# Altium PCB STM32F103RCT6 Dev B'd Rev 2.0.PcbDoc (part 1 of 2) (continued)
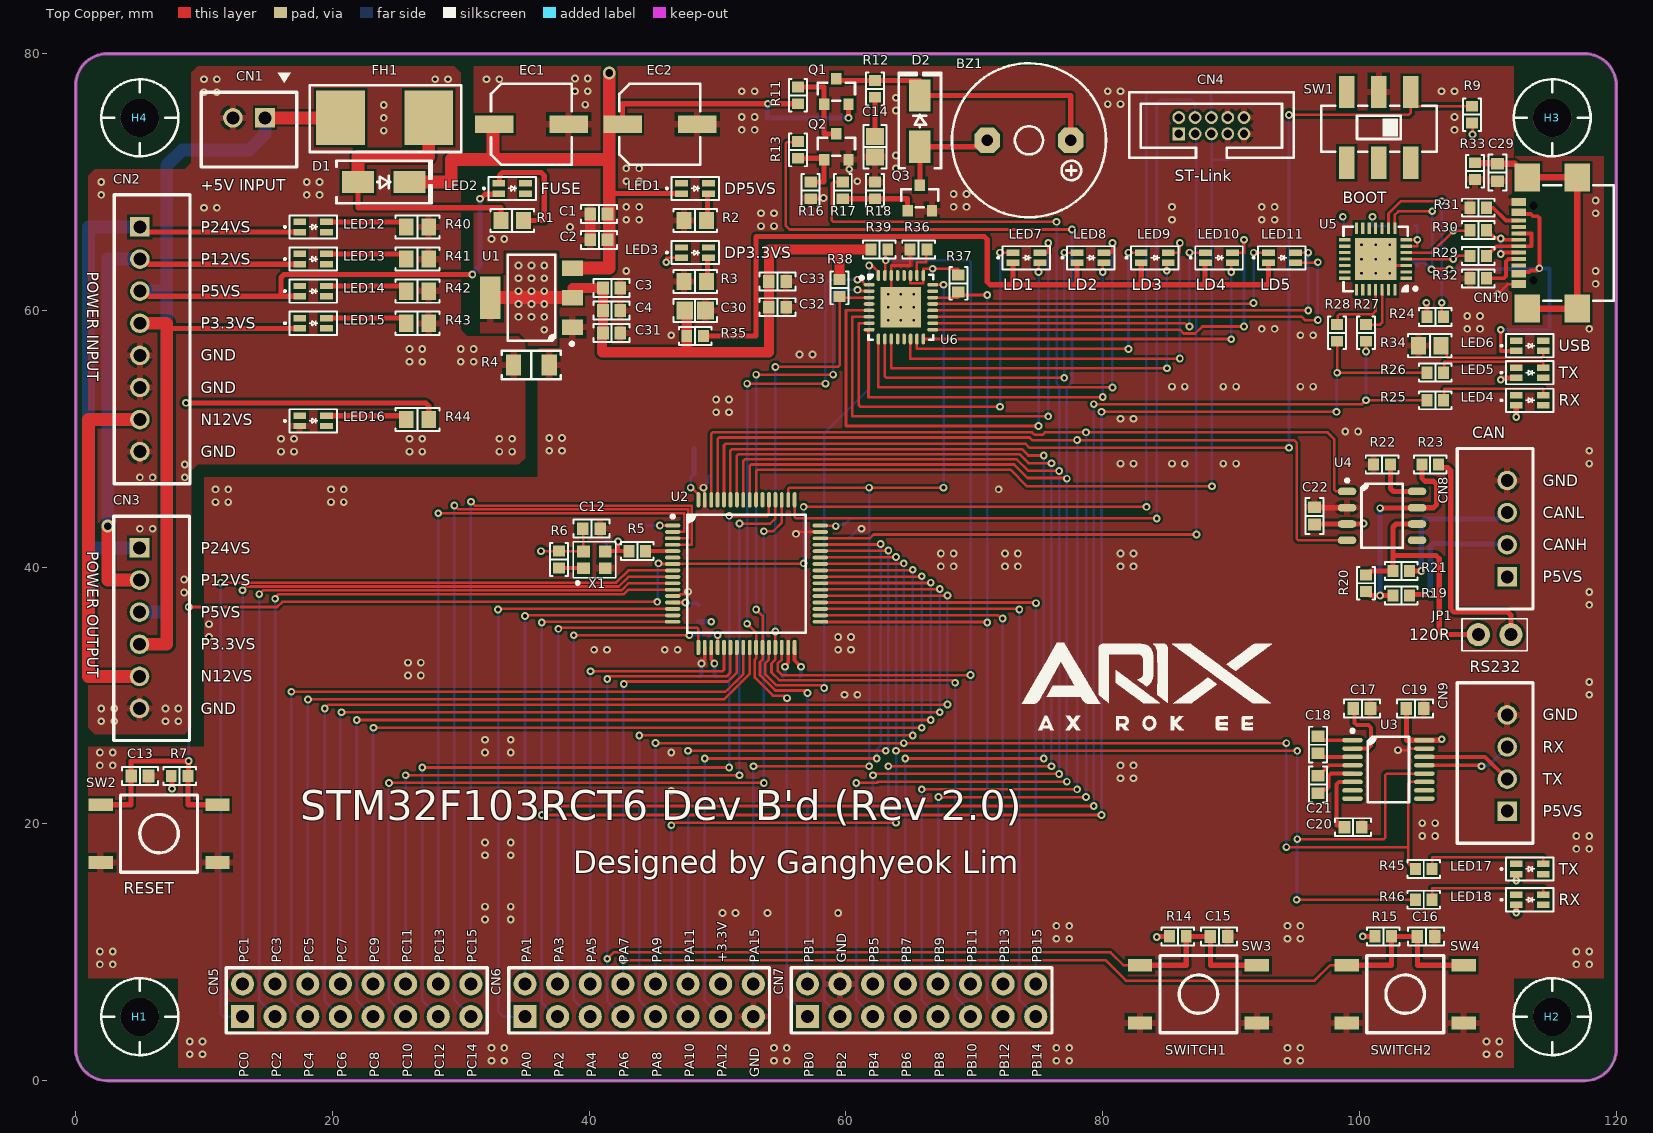
[diagram p0: Top Copper view]
## Components (designator, comment, footprint, x,y, rotation, side; value= is the part's Value field where it differs from the comment) (continued)
LED18 "GREEN/2012" "LED MHT170RGBCT (GREEN)" 113.25,14.1 r0 top
Q1 "S9015" "SOT 23-3 (DIODES INCORPORATED)" 59.25,77.043 r90 top
Q2 "MMBT3904" "SOT 23-3 (DIODES INCORPORATED)" 59.25,72.75 r90 top
Q3 "MMBT3904" "SOT 23-3 (DIODES INCORPORATED)" 65.75,68.75 r90 top
R1 "680R/2012" "RES 2012 (0805_inch)" 34,67 r180 top value=680R
R2 "680R/2012" "RES 2012 (0805_inch)" 48.25,67 r0 top value=680R
R3 "330R/2012" "RES 2012 (0805_inch)" 48.25,62.25 r0 top value=330R
R4 "0R/3216" "RES 3216 (1206_inch)" 35.5,55.75 r0 top
R5 "0R/1608" "RES 1608 (0603_inch)" 43.75,41.25 r0 top value=0R
R6 "0R/1608" "RES 1608 (0603_inch)" 37.653,40.6 r90 top value=0R
R7 "100K/1608" "RES 1608 (0603_inch)" 8.1,23.75 r180 top value=100K
R8 "47R/1608" "RES 1608 (0603_inch)" 48.5,36.4 r270 bottom value=47R
R9 "100K/1608" "RES 1608 (0603_inch)" 108.75,75.25 r270 top value=100K
R10 "0R/1608/NC" "RES 1608 (0603_inch)/NC" 90.5,71.75 r0 bottom value=0R
R11 "100K/1608" "RES 1608 (0603_inch)" 56.25,76.75 r90 top value=100K
R12 "100R/1608" "RES 1608 (0603_inch)" 62.25,77.25 r90 top value=100R
R13 "4.7K/1608" "RES 1608 (0603_inch)" 56.25,72.5 r270 top value=4.7K
R14 "100K/1608" "RES 1608 (0603_inch)" 85.85,11.25 r180 top value=100K
R15 "100K/1608" "RES 1608 (0603_inch)" 101.85,11.25 r180 top value=100K
R16 "100K/1608" "RES 1608 (0603_inch)" 57.25,69.35 r90 top value=100K
R17 "4.7K/1608" "RES 1608 (0603_inch)" 59.75,69.35 r270 top value=4.7K
R18 "100K/1608" "RES 1608 (0603_inch)" 62.25,69.35 r270 top value=100K
R19 "0R/1608" "RES 1608 (0603_inch)" 103.25,37.8 r0 top value=0R
R20 "120R/1608/0.1W" "RES 1608 (0603_inch)" 100.5,38.75 r270 top value=120R
R21 "0R/1608" "RES 1608 (0603_inch)" 103.25,39.7 r0 top value=0R
R22 "10K/1608" "RES 1608 (0603_inch)" 101.75,48 r0 top value=10K
R23 "120R/1608/0.1W" "RES 1608 (0603_inch)" 105.5,48 r180 top value=120R
R24 "4.7K/1608" "RES 1608 (0603_inch)" 105.9,59.5 r0 top value=4.7K
R25 "330R/1608" "RES 1608 (0603_inch)" 105.9,53 r0 top value=330R
R26 "330R/1608" "RES 1608 (0603_inch)" 105.9,55.15 r0 top value=330R
R27 "0R/1608" "RES 1608 (0603_inch)" 100.5,58.25 r270 top value=0R
R28 "0R/1608" "RES 1608 (0603_inch)" 98.25,58.25 r270 top value=0R
R29 "0R/1608" "RES 1608 (0603_inch)" 109.25,64.25 r180 top value=0R
R30 "0R/1608" "RES 1608 (0603_inch)" 109.25,66.25 r180 top value=0R
R31 "5.1K/1608" "RES 1608 (0603_inch)" 109.25,68 r0 top value=5.1K
R32 "5.1K/1608" "RES 1608 (0603_inch)" 109.25,62.5 r0 top value=5.1K
R33 "1M/1608/0.1W" "RES 1608 (0603_inch)" 109,70.85 r270 top value=1M
R34 "680R/2012" "RES 2012 (0805_inch)" 105.47,57.25 r0 top value=680R
R35 "0R/1608" "RES 1608 (0603_inch)" 48.25,58 r0 top value=0R
R36 "2.2K/1608" "RES 1608 (0603_inch)" 65.65,64.75 r0 top value=2.2K
R37 "100K/1608" "RES 1608 (0603_inch)" 68.75,62.1 r270 top value=100K
R38 "100K/1608" "RES 1608 (0603_inch)" 59.5,61.75 r270 top value=100K
R39 "100K/1608" "RES 1608 (0603_inch)" 62.6,64.75 r0 top value=100K
R40 "4.7K/2012" "RES 2012 (0805_inch)" 26.625,66.5 r180 top value=4.7K
R41 "4.7K/2012" "RES 2012 (0805_inch)" 26.625,64 r180 top value=4.7K
R42 "4.7K/2012" "RES 2012 (0805_inch)" 26.625,61.5 r180 top value=4.7K
R43 "4.7K/2012" "RES 2012 (0805_inch)" 26.625,59 r180 top value=4.7K
R44 "4.7K/2012" "RES 2012 (0805_inch)" 26.625,51.5 r180 top value=4.7K
R45 "330R/1608" "RES 1608 (0603_inch)" 105,16.5 r0 top value=330R
R46 "330R/1608" "RES 1608 (0603_inch)" 105,14.1 r0 top value=330R
SW1 "YSS-1201S(2mm)_2P" "SW YSS-1201S-2mm" 101.5,74.25 r180 top
SW2 "K2-1102SP-C4SC-04" "SW K2-1102SP-C4SC-04" 6.5,19.25 r0 top
SW3 "K2-1102SP-C4SC-04" "SW K2-1102SP-C4SC-04" 87.45,6.75 r0 top
SW4 "K2-1102SP-C4SC-04" "SW K2-1102SP-C4SC-04" 103.55,6.75 r0 top
U1 "AMS1117-3.3" "SOT 223-3 (DIODES INCORPORATED)" 35.5,61 r180 top
U2 "STM32F103RCT6" "LQFP-64_10x10mm (ST)" 52.25,39.5 r0 top
U3 "SP3232EEY" TSSOP-16 102.25,24.25 r0 top
U4 "SN65HVD230DR" "SOIC-8 R8 (ANALOG DEV)" 101.75,44 r0 top
U5 "CP2102-GMR" "QFN-28 (5x5mm)" 101.25,64 r180 top
U6 "TLC59401RHBR" "VQFN-32 (TI drawing - RHB)" 64.275,60.25 r0 top
X1 "S2D12.000000B20F30T(12MHz)" "OSC SMD_2.5x2.0 (SCTF)" 40.4,40.575 r0 top
ZD1 "NUP2105L" "SOT 23-3 (DIODES INCORPORATED)" 108.25,42.8 r0 bottom

## Footprints (in the part's own frame and the unit in brackets; to place one, negate y for a bottom-side part, rotate by r counter-clockwise, add the part's x,y. Pads: shape width x height; smd on the part's side, far side on the other; paste and mask are expansions set on the pad)
"BUZ FQ-036" [mm]
  oct 2x2 hole 0.9: 1(3.25,0) 2(-3.25,0)
  silkscreen extent -6,-6 6,6, body extent -6,-6 9.45,6, height 9.67
"CAP 1608 (0603_INCH)" [mm] "Chip Capacitor, 2-Leads, Body 1.60x0.80mm, IPC Medium Density"
  rect 0.9x1 smd: 1(-0.675,0) 2(0.675,0)
  silkscreen extent -1.4,-0.7 1.4,0.7, body extent -0.8,-0.41 0.8,0.41, height 0.82
"CAP 1608 (0603_INCH)/NC" [mm] "Chip Capacitor, 2-Leads, Body 1.60x0.80mm, IPC Medium Density"
  rect 0.9x1 smd: 1(-0.675,0) 2(0.675,0)
  silkscreen extent -1.4,-0.7 1.4,0.7
"CAP 2012 (0805_INCH)" [mm] "Chip Capacitor, 2-Leads, Body 2.00x1.20mm, IPC Medium Density"
  rect 1.3x1.4 smd: 1(-0.8,0) 2(0.8,0)
  silkscreen extent -1.7,-0.9 1.7,0.9, body extent -1,-0.64 1,0.64, height 1.26
"CAP ALSMD 6.3MM H8.0MM" [mm] "Aluminum SMT Polymer Capacitor, 6.3mm Diameter, 8.00mm Height, 7.20mm Maximum Leads Span"
  rect 3x1.4 smd: 1(-2.9,0) 2(2.9,0)
  silkscreen extent -3.15,-3.15 3.15,3.15, body extent -3.6,-3.15 3.6,3.15, height 8
"CON 3220-10-0100-00" [mm] "CONN HEADER VERT 10POS 1.27MM"
  rect 1x1 hole 0.65: 1(-2.54,-0.635)
  round 1 hole 0.65: 2(-2.54,0.635) 3(-1.27,-0.635) 4(-1.27,0.635) 5(0,-0.635) 6(0,0.635) 7(1.27,-0.635) 8(1.27,0.635) 9(2.54,-0.635) 10(2.54,0.635)
  silkscreen extent -6.4,-2.5 6.4,2.6, body extent -6.32,-2.58 6.32,2.55, height 5.4
"CON 0353120260 (MOLEX)" [mm] "CONN HEADER VERT 2POS 2.5MM"
  rect 1.524x1.524 hole 1: 1(-1.25,0)
  round 1.524 hole 1: 2(1.25,0)
  silkscreen extent -3.72,-2 3.72,3.83, body extent -3.73,-2.65 3.73,3.85, height 7.08
"CON 0353120460 (MOLEX)" [mm] "CONN HEADER VERT 4POS 2.5MM"
  rect 1.524x1.524 hole 1: 1(-3.75,0)
  round 1.524 hole 1: 2(-1.25,0) 3(1.25,0) 4(3.75,0)
  silkscreen extent -6.25,-2 6.25,3.9, body extent -6.23,-2.6 6.23,3.9, height 7.08
"CON 0353120660 (MOLEX)" [mm] "CONN HEADER VERT 6POS 2.5MM"
  rect 1.524x1.524 hole 1: 1(-6.25,0)
  round 1.524 hole 1: 2(-3.75,0) 3(-1.25,0) 4(1.25,0) 5(3.75,0) 6(6.25,0)
  silkscreen extent -8.72,-2 8.75,3.9, body extent -8.73,-2.6 8.73,3.9, height 7.08
"CON 0353120860 (MOLEX)" [mm] "CONN HEADER VERT 8POS 2.5MM"
  rect 1.524x1.524 hole 1: 1(-8.75,0)
  round 1.524 hole 1: 2(-6.25,0) 3(-3.75,0) 4(-1.25,0) 5(1.25,0) 6(3.75,0) 7(6.25,0) 8(8.75,0)
  silkscreen extent -11.25,-2 11.25,3.9, body extent -11.23,-2.65 11.23,3.85, height 7.08
"CON PIN_HEADER-2PIN(2.54MM)" [mm] "Pin Header 2P 2.54mm"
  round 1.8 hole 1: 1(0,0) 2(2.54,0)
  silkscreen extent -1.27,-1.25 3.81,1.25, body extent -1.27,-1.27 3.81,1.27, height 8.57
"CON PIN_HEADER_DUAL_2x8PIN(2.54MM)" [mm] "CON_PIN_HEADER_DUAL_2x8PIN(2.54MM)"
  rect 1.8x1.8 hole 1: 1(0,0)
  round 1.8 hole 1: 2(0,2.54) 3(2.54,0) 4(2.54,2.54) 5(5.08,0) 6(5.08,2.54) 7(7.62,0) 8(7.62,2.54) 9(10.16,0) 10(10.16,2.54) 11(12.7,0) 12(12.7,2.54) 13(15.24,0) 14(15.24,2.54) 15(17.78,0) 16(17.78,2.54)
  silkscreen extent -1.27,-1.27 19.05,3.81, body extent -1.27,-1.27 19.05,3.81, height 9.5
"CON USB-Type-C (16P)" [mm] "USB 2.0 5A 1 Surface Mount 16 Female -35℃~+75℃ Type-C SMD  USB Connectors ROHS"
  round 0 hole 0.65: 0(-2.89,1.45) 0(2.89,1.45)
  rect 0.6x1.15 smd mask+0.05: A1(-3.2,2.6) A4(-2.4,2.6) B1(3.2,2.6) B4(2.4,2.6)
  rect 0.3x1.15 smd mask+0.05: A5(-1.25,2.6) A6(-0.25,2.6) A7(0.25,2.6) A8(1.25,2.6) B5(1.75,2.6) B6(0.75,2.6) B7(-0.75,2.6) B8(-1.75,2.6)
  rect 2.18x2 smd: S1(-5.11,1.95) S2(-5.11,-1.95) S3(5.11,-1.95) S4(5.11,1.95)
  silkscreen extent -4.5,-4.8 4.5,0.7, body extent -5.65,-4.83 5.65,2.87, height 3.26
"DIO DO-214AC (SMA)" [mm] "Molded Diode, 2-Leads, Body 4.30x2.60mm, IPC Medium Density"
  rect 2.5x1.7 smd: 1(-2,0) 2(2,0)
  silkscreen extent -3.68,-1.65 3.75,1.65, body extent -2.6,-1.37 2.6,1.37, height 2.4
"FUSE 01550900M_SMD" [mm] "Fuse Holder"
  rect 3.81x4.24 smd: 1(0,0) 2(6.858,0)
  silkscreen extent -2.41,-2.67 9.4,2.54, body extent -1.42,-2.54 8.28,2.46, height 3.74
"HOLE NTH-3MM" [mm] "NON-THROUGH HOLE 3MM"
  round 3 hole 3: 1(0,0)
  silkscreen extent -3,-3 3,3
"LED MHT170RGBCT" [mm] "Colorless transparence -30℃~+85℃ Positive post Common anode RGB 120° 0805  Light Emitting Diodes (LED) ROHS"
  rect 1x0.5 smd: 1(-1.05,0.4) 2(1.05,0.4) 3(1.05,-0.4) 4(-1.05,-0.4)
  silkscreen extent -2.25,-0.9 1.85,0.9, body extent -1,-0.62 1,0.62, height 0.9
"LED MHT170RGBCT (BLUE)" [mm] "Colorless transparence -30℃~+85℃ Positive post Common anode RGB 120° 0805  Light Emitting Diodes (LED) ROHS"
  rect 1x0.5 smd: 1(-1.05,0.4) 2(1.05,0.4) 3(1.05,-0.4) 4(-1.05,-0.4)
  silkscreen extent -2.25,-0.9 1.85,0.9, body extent -1,-0.62 1,0.62, height 0.9
"LED MHT170RGBCT (GREEN)" [mm] "Colorless transparence -30℃~+85℃ Positive post Common anode RGB 120° 0805  Light Emitting Diodes (LED) ROHS"
  rect 1x0.5 smd: 1(-1.05,0.4) 2(1.05,0.4) 3(1.05,-0.4) 4(-1.05,-0.4)
  silkscreen extent -2.25,-0.9 1.85,0.9, body extent -1,-0.62 1,0.62, height 0.9
"LED MHT170RGBCT (RED)" [mm] "Colorless transparence -30℃~+85℃ Positive post Common anode RGB 120° 0805  Light Emitting Diodes (LED) ROHS"
  rect 1x0.5 smd: 1(-1.05,0.4) 2(1.05,0.4) 3(1.05,-0.4) 4(-1.05,-0.4)
  silkscreen extent -2.25,-0.9 1.85,0.9, body extent -1,-0.62 1,0.62, height 0.9
"LQFP-64_10x10mm (ST)" [mm] "LQFP, 64-Leads, Body 10.00x10.00mm, Pitch 0.50mm, IPC Medium Density"
  oval 1.2x0.3 smd: 1(-5.75,3.75) 2(-5.75,3.25) 3(-5.75,2.75) 4(-5.75,2.25) 5(-5.75,1.75) 6(-5.75,1.25) 7(-5.75,0.75) 8(-5.75,0.25) 9(-5.75,-0.25) 10(-5.75,-0.75) 11(-5.75,-1.25) 12(-5.75,-1.75) 13(-5.75,-2.25) 14(-5.75,-2.75) 15(-5.75,-3.25) 16(-5.75,-3.75) 33(5.75,-3.75) 34(5.75,-3.25) 35(5.75,-2.75) 36(5.75,-2.25) 37(5.75,-1.75) 38(5.75,-1.25) 39(5.75,-0.75) 40(5.75,-0.25) 41(5.75,0.25) 42(5.75,0.75) 43(5.75,1.25) 44(5.75,1.75) 45(5.75,2.25) 46(5.75,2.75) 47(5.75,3.25) 48(5.75,3.75)
  oval 0.3x1.2 smd: 17(-3.75,-5.75) 18(-3.25,-5.75) 19(-2.75,-5.75) 20(-2.25,-5.75) 21(-1.75,-5.75) 22(-1.25,-5.75) 23(-0.75,-5.75) 24(-0.25,-5.75) 25(0.25,-5.75) 26(0.75,-5.75) 27(1.25,-5.75) 28(1.75,-5.75) 29(2.25,-5.75) 30(2.75,-5.75) 31(3.25,-5.75) 32(3.75,-5.75) 49(3.75,5.75) 50(3.25,5.75) 51(2.75,5.75) 52(2.25,5.75) 53(1.75,5.75) 54(1.25,5.75) 55(0.75,5.75) 56(0.25,5.75) 57(-0.25,5.75) 58(-0.75,5.75) 59(-1.25,5.75) 60(-1.75,5.75) 61(-2.25,5.75) 62(-2.75,5.75) 63(-3.25,5.75) 64(-3.75,5.75)
  silkscreen extent -5.87,-4.6 4.6,4.6, body extent -6.01,-6.01 6.01,6.01, height 1.6
"OSC SMD_2.5x2.0 (SCTF)" [mm] "SMD Oscillator_2.5x2.0 (SCTF)"
  rect 1x0.9 smd: 1(-0.85,-0.65) 2(0.85,-0.65) 3(0.85,0.65) 4(-0.85,0.65)
  silkscreen extent -1.65,-1.9 1.65,1.4, body extent -1.25,-1 1.25,1, height 0.9
"QFN-28 (5x5mm)" [mm] "QFN-28 (5x5mm)"
  rect 0.9x0.25 smd: 1(-2.4,1.5) 2(-2.4,1) 3(-2.4,0.5) 4(-2.4,0) 5(-2.4,-0.5) 6(-2.4,-1) 7(-2.4,-1.5) 15(2.4,-1.5) 16(2.4,-1) 17(2.4,-0.5) 18(2.4,0) 19(2.4,0.5) 20(2.4,1) 21(2.4,1.5)
  rect 0.25x0.9 smd: 8(-1.5,-2.4) 9(-1,-2.4) 10(-0.5,-2.4) 11(0,-2.4) 12(0.5,-2.4) 13(1,-2.4) 14(1.5,-2.4) 22(1.5,2.4) 23(1,2.4) 24(0.5,2.4) 25(0,2.4) 26(-0.5,2.4) 27(-1,2.4) 28(-1.5,2.4)
  rect 3.25x3.25 smd: 29(0,0)
  silkscreen extent -3.22,-2.5 2.5,2.5, body extent -2.5,-2.5 2.5,2.5, height 1
"RES 1608 (0603_inch)" [mm] "Chip Resistor, 2-Leads, Body 1.60x0.80mm, IPC Medium Density"
  rect 0.85x0.95 smd: 1(-0.65,0) 2(0.65,0)
  silkscreen extent -1.27,-0.7 1.27,0.7, body extent -0.8,-0.4 0.8,0.4, height 0.45
"RES 1608 (0603_inch)/NC" [mm] "Chip Resistor, 2-Leads, Body 1.60x0.80mm, IPC Medium Density"
  rect 0.85x0.95 smd: 1(-0.65,0) 2(0.65,0)
  silkscreen extent -1.27,-0.7 1.27,0.7
"RES 2012 (0805_inch)" [mm] "Chip Resistor, 2-Leads, Body 2.00x1.25mm, IPC Medium Density"
  rect 1.15x1.35 smd: 1(-0.875,0) 2(0.875,0)
  silkscreen extent -1.7,-0.9 1.7,0.9, body extent -1,-0.62 1,0.63, height 0.6
"RES 3216 (1206_inch)" [mm] "Chip Resistor, 2-Leads, Body 3.13x1.55mm, IPC Medium Density"
  rect 1.2x1.65 smd: 1(-1.4,0) 2(1.4,0)
  silkscreen extent -2.3,-1.1 2.3,1.1, body extent -1.6,-0.8 1.6,0.8, height 0.6
"SOIC-8 R8 (ANALOG DEV)" [mm] "SOIC, 8-Leads, Body 4.90x3.90mm, Pitch 1.27mm, IPC Medium Density"
  oval 1.45x0.6 smd: 1(-2.725,1.905) 2(-2.725,0.635) 3(-2.725,-0.635) 4(-2.725,-1.905) 5(2.725,-1.905) 6(2.725,-0.635) 7(2.725,0.635) 8(2.725,1.905)
  silkscreen extent -2.85,-2.5 1.6,2.88, body extent -3.01,-2.45 3.01,2.45, height 1.5
"SOT 23-3 (DIODES INCORPORATED)" [mm] "SOT23, 3-Leads, Body 2.90x2.40mm, Pitch 0.95mm, IPC Medium Density"
  rect 0.9x0.8 smd: 1(-1,0.95) 2(-1,-0.95) 3(1,0)
  silkscreen extent -0.7,-1.45 0.7,1.45, body extent -1.41,-1.45 1.41,1.45, height 1.5
"SOT 223-3 (DIODES INCORPORATED)" [mm] "SOT223, 4-Leads, Body 6.50x7.00mm (avg), Pitch 2.30mm, IPC Medium Density"
  rect 1.6x1.2 smd: 1(-3.2,2.3) 2(-3.2,0) 3(-3.2,-2.3)
  rect 1.6x3.3 smd: 4(3.2,0)
  silkscreen extent -3.27,-3.35 1.85,3.72, body extent -3.52,-3.25 3.5,3.25, height 1.8
"SW K2-1102SP-C4SC-04" [mm] "-25℃~+85℃ 6mm 5mm Round Button 50mA Brick nogging 6mm SPST 100MΩ 100000 250gf@±30gf 12V SMD  Tactile Switches ROHS"
  rect 1.9x1 smd: 1(-4.55,2.25) 2(4.55,2.25) 3(-4.55,-2.25) 4(4.55,-2.25)
  silkscreen extent -3,-3 3,3, body extent -4.25,-3.05 4.25,3.05, height 4.3
"SW YSS-1201S-2mm" [mm] "SMD Type Slide Switch"
  rect 1.2x2.5 smd: 1(-2.5,-2.75) 2(0,-2.75) 3(2.5,-2.75) 4(2.5,2.75) 5(0,2.75) 6(-2.5,2.75)
  silkscreen extent -4.5,-1.7 4.5,1.9, body extent -4.25,-1.75 4.25,1.75, height 5.5
TSSOP-16 [mm] "TSSOP, 16-Leads, Body 5.00x4.40mm, Pitch 0.65mm, IPC Medium Density"
  oval 1.6x0.35 smd: 1(-2.8,2.275) 2(-2.8,1.625) 3(-2.8,0.975) 4(-2.8,0.325) 5(-2.8,-0.325) 6(-2.8,-0.975) 7(-2.8,-1.625) 8(-2.8,-2.275) 9(2.8,-2.275) 10(2.8,-1.625) 11(2.8,-0.975) 12(2.8,-0.325) 13(2.8,0.325) 14(2.8,0.975) 15(2.8,1.625) 16(2.8,2.275)
  silkscreen extent -2.92,-2.55 1.6,3.12, body extent -3.21,-2.5 3.21,2.5, height 1.2
"VQFN-32 (TI drawing - RHB)" [mm] "QFN, 32-Leads, Body 5.00x5.00mm, Pitch 0.50mm, Thermal Pad 3.45x3.45mm, IPC Medium Density"
  oval 0.85x0.28 smd mask+0.07: 1(-2.475,1.75) 2(-2.475,1.25) 3(-2.475,0.75) 4(-2.475,0.25) 5(-2.475,-0.25) 6(-2.475,-0.75) 7(-2.475,-1.25) 8(-2.475,-1.75) 17(2.475,-1.75) 18(2.475,-1.25) 19(2.475,-0.75) 20(2.475,-0.25) 21(2.475,0.25) 22(2.475,0.75) 23(2.475,1.25) 24(2.475,1.75)
  oval 0.28x0.85 smd mask+0.07: 9(-1.75,-2.475) 10(-1.25,-2.475) 11(-0.75,-2.475) 12(-0.25,-2.475) 13(0.25,-2.475) 14(0.75,-2.475) 15(1.25,-2.475) 16(1.75,-2.475) 25(1.75,2.475) 26(1.25,2.475) 27(0.75,2.475) 28(0.25,2.475) 29(-0.25,2.475) 30(-0.75,2.475) 31(-1.25,2.475) 32(-1.75,2.475)
  rect 3.15x3.15 smd mask+0.102: 33(0,0)
  silkscreen extent -3.17,-2.52 2.52,2.52, body extent -2.5,-2.5 2.5,2.5, height 1

## Part data
BZ1: library part BUZ_FQ-036, "5V Passive Buzzer / Rated Voltage: 5V / Size: 12x9mm"
C1 C4 C6: library part CAP_10uF/10V/1608, "Ceramic CAP_10uF/10V/1608", JLCPCB Part Type="Basic Part", LCSC Part #=C19702
C2 C3 C8 C9 C10 C11 C12 C13 C15 C16 C17 C18 C19 C20 C21 C22 C28 C29 C31 C33: library part CAP_100nF/50V/1608, "Ceramic CAP_100nF/50V/1608", JLCPCB Part Type="Basic Part", LCSC Part #=C14663
C5: library part CAP_NC_15pF/50V/1608, "Ceramic CAP_100nF/50V/1608"
C7 C24: library part CAP_2.2uF/16V/1608, "Ceramic CAP_2.2uF/16V/1608", JLCPCB Part Type="Basic Part", LCSC Part #=C23630
C14: library part CAP_22uF/25V/2012, "Ceramic CAP_22uF/25V/2012", JLCPCB Part Type="Basic Part", LCSC Part #=C45783
C23 C27 C32: library part CAP_1uF/50V/1608, "Ceramic CAP_1uF/50V/1608", JLCPCB Part Type="Basic Part", LCSC Part #=C15849
C25 C26: library part CAP_NC_15pF/16V/1608, "Ceramic CAP_15pF/16V/1608"
C30: library part CAP_10uF/35V/2012, "Ceramic CAP_10uF/35V/2012", JLCPCB Part Type="Basic Part", LCSC Part #=C440198
CN1: library part CON_0353120260, "CONN HEADER VERT 2POS 2.5MM"
CN2: library part CON_0353120860, "CONN HEADER VERT 8POS 2.5MM"
CN3: library part CON_0353120660, "CONN HEADER VERT 6POS 2.5MM"
CN4: library part CON_IDC_3220-10-0100-00, "CONN HEADER VERT 10POS 1.27MM"
CN5 CN6 CN7: library part CON_PIN_HEADER_DUAL_2x8PIN(2.54MM), "PIN_HEADER_DUAL_2x8PIN(2.54MM)"
CN8 CN9: library part CON_0353120460, "CONN HEADER VERT 4POS 2.5MM"
CN10: library part CON_USB-Type-C, "USB 2.0 5A 1 Surface Mount 16 Female -35℃~+75℃ Type-C SMD  USB Connectors ROHS", JLCPCB Part Type="Extended Part", LCSC Part #=C2977718
D1: library part DIO_SS13, "DIODE SCHOTTKY 30V 1A SMA", JLCPCB Part Type="Extended Part", LCSC Part #=C64984
D2: library part DIO_M7, "1A 5uA@1kV 1kV 1.1V@1A SMA(DO-214AC)  Diodes - General Purpose ROHS", JLCPCB Part Type="Basic Part", LCSC Part #=C95872
EC1 EC2: library part "CAP_EC 100uF/25V/6.3Øx7.7", "Eletrolytic CAP_100uF/25V/6.3Øx7.7", JLCPCB Part Type="Extended Part", LCSC Part #=C127971
FH1: library part FUSE_01550900M-SMD, "Fuse Block 10A 125V 1 Circuit Cartridge Surface Mount", JLCPCB Part Type="Extended Part", LCSC Part #=C108518
H1 H2 H3 H4: library part HOLE_NTH-3MM, "Non-Through Hole 3mm"
JP1: library part CON_JP-2P
LED1 LED3 LED6: library part LED_MHT170RGBCT(BLUE), "Colorless transparence -30℃~+85℃ Positive post Common anode RGB 120° 0805  Light Emitting Diodes (LED) ROHS", JLCPCB Part Type="Extended Part", LCSC Part #=C2962094
LED2: library part LED_MHT170RGBCT(RED), "Colorless transparence -30℃~+85℃ Positive post Common anode RGB 120° 0805  Light Emitting Diodes (LED) ROHS", JLCPCB Part Type="Extended Part", LCSC Part #=C2962094
LED4 LED5 LED12 LED13 LED14 LED15 LED16 LED17 LED18: library part LED_MHT170RGBCT(GREEN), "Colorless transparence -30℃~+85℃ Positive post Common anode RGB 120° 0805  Light Emitting Diodes (LED) ROHS", JLCPCB Part Type="Extended Part", LCSC Part #=C2962094
LED7 LED8 LED9 LED10 LED11: library part LED_RGB_MHT170RGBCT, "Colorless transparence -30℃~+85℃ Positive post Common anode RGB 120° 0805  Light Emitting Diodes (LED) ROHS", JLCPCB Part Ype="Extended Part", LCSC Part #=C2962094
Q1: library part BJT_PNP_S9015, "100nA 45V 200mW 100mA 300@1mA,5V 150MHz 300mV@100mA,10mA PNP +150℃@(Tj) SOT-23(SOT-23-3)  Bipolar Transistors - BJT ROHS", JLCPCB Part Type="Basic Part", LCSC Part #=C2149
Q2 Q3: library part BJT_NPN_MMBT3904, "100nA 40V 200mW 200mA 100@10mA,1V 300MHz 300mV@50mA,5mA NPN +150℃@(Tj) SOT-23(SOT-23-3)  Bipolar Transistors - BJT ROHS", JLCPCB Part Type="Basic Part", LCSC Part #=C20526
R1 R2 R34: library part RES_680R/2012/0.125W, "RES_680R/2012/0.125W", JLCPCB Part Type="Basic Part", LCSC Part #=C17798, Power Rating=0.125W, Precision=1%, Size=2012
R3: library part RES_330R/2012/0.125W, "RES_330R/2012/0.125W", JLCPCB Part Type="Basic Part", LCSC Part #=C17630, Power Rating=0.125W, Precision=1%, Size=2012
R4: library part RES_0R/3216/0.25W, "RES_0R/3216/0.25W", JLCPCB Part Type="Basic Part", LCSC Part #=C17888, Power Rating=0.1W, Precision=1%, Size=1608
R5 R6 R19 R21 R27 R28 R29 R30 R35: library part RES_0R/1608/0.1W, "RES_0R/1608/0.1W", JLCPCB Part Type="Basic Part", LCSC Part #=C21189, Power Rating=0.1W, Precision=1%, Size=1608
R7 R9 R11 R14 R15 R16 R18 R37 R38 R39: library part RES_100K/1608/0.1W, "RES_100K/1608/0.1W", JLCPCB Part Type="Basic Part", LCSC Part #=C25803, Power Rating=0.1W, Precision=1%, Size=1608
R8: library part RES_47R/1608/0.1W, "RES_47R/1608/0.1W", JLCPCB Part Type="Basic Part", LCSC Part #=C23182, Power Rating=0.1W, Precision=1%, Size=1608
R10: library part RES_NC_0R/1608/0.1W, "0R/1608/0.1W/NC", Power Rating=0.1W, Precision=1%, Size=1608
R12: library part RES_100R/1608/0.1W, "RES_100R/1608/0.1W", JLCPCB Part Type="Basic Part", LCSC Part #=C22775, Power Rating=0.1W, Precision=1%, Size=1608
R13 R17 R24: library part RES_4.7K/1608/0.1W, "RES_4.7K/1608/0.1W", JLCPCB Part Type="Basic Part", LCSC Part #=C23162, Power Rating=0.1W, Precision=1%, Size=1608
R20 R23: library part RES_120R/1608/0.1W, "RES_120R/1608/0.1W", JLCPCB Part Type="Basic Part", LCSC Part #=C22787, Power Rating=0.1W, Precision=1%, Size=1608
R22: library part RES_10K/1608/0.1W, "RES_10K/1608/0.1W", JLCPCB Part Type="Basic Part", LCSC Part #=C25804, Power Rating=0.1W, Precision=1%, Size=1608
R25 R26 R45 R46: library part RES_330R/1608/0.1W, "RES_330R/1608/0.1W", JLCPCB Part Type="Basic Part", LCSC Part #=C23138, Power Rating=0.1W, Precision=1%, Size=1608
R31 R32: library part RES_5.1K/1608/0.1W, "RES_5.1K/1608/0.1W", JLCPCB Part Type="Basic Part", LCSC Part #=C23186, Power Rating=0.1W, Precision=1%, Size=1608
R33: library part RES_1M/1608/0.1W, "RES_1M/1608/0.1W", JLCPCB Part Type="Basic Part", LCSC Part #=C22935, Power Rating=0.1W, Precision=1%, Size=1608
R36: library part RES_2.2K/1608/0.1W, "RES_2.2K/1608/0.1W", JLCPCB Part Type="Basic Part", LCSC Part #=C4190, Power Rating=0.1W, Precision=1%, Size=1608
R40 R41 R42 R43 R44: library part RES_4.7K/2012/0.125W, "RES_4.7K/2012/0.125W", JLCPCB Part Type="Basic Part", LCSC Part #=C17673, Power Rating=0.125W, Precision=1%, Size=2012
SW1: library part SW_YSS-1201S(2mm)_2P, "SMD Slide Switch. / Rating : DC 6V/0.3A / Travel : 2MM"
SW2 SW3 SW4: library part SW_K2-1102SP-C4SC-04, "-25℃~+85℃ 6mm 5mm Round Button 50mA Brick nogging 6mm SPST 100MΩ 100000 250gf@±30gf 12V SMD  Tactile Switches ROHS", JLCPCB Part Type="Extended Part", LCSC Part #=C127509
U1: library part IC_REG_AMS1117-3.3, "72dB@(120Hz) 1A 1.3V@(800mA) Fixed 3.3V~3.3V Positive 1 SOT-223  Linear Voltage Regulators (LDO) ROHS", JLCPCB Part Type="Basic Part", LCSC Part #=C6186
U2: library part IC_MCU_STM32F103RCT6, "48KB 256K@x8bit 2V~3.6V -40℃~+85℃ ARM Cortex-M3 1@x2ch/12bit 1@x16ch/12bit Internal oscillator included  72MHz 51 LQFP-64_10x10x05P  Microcontroller Units (MCUs/MPUs/SOCs) ROHS", JLCPCB Part Type="Extended Part", LCSC Part #=C8323
U3: library part IC_RS232_SP3232EEY, "235Kbps 3V~5.5V transceiver 2/2 TSSOP-16  RS232 ICs ROHS", JLCPCB Part Type="Basic Part", LCSC Part #=C13482
U4: library part IC_CAN_SN65HVD230DR, "IC TRANSCEIVER HALF 1/1 8SOIC", JLCPCB Part Type="Basic Part", LCSC Part #=C12084
U5: library part IC_USB_CP2102, "Transceiver 1Mbps USB 1/1 QFN-28_5x5x05P  USB ICs ROHS", JLCPCB Part Type="Basic Part", LCSC Part #=C6568
U6: library part IC_LED_TLC59401RHBR, "IC LED DRVR LINEAR 120MA 32VQFN", JLCPCB Part Type="Global Parts Sourcing"
X1: library part OSC_S2D12.000000B20F30T(12MHz), "3.3V~3.3V -40℃~+85℃ 20mA ±20ppm 12MHz SMD2520-4P  Oscillators ROHS", JLCPCB Part Type="Extended Part", LCSC Part #=C387449
ZD1: library part DIO_TVS_NUP2105L, "SOT-23 ESD PROTECTION DEVICES RO", JLCPCB Part Type="Extended Part", LCSC Part #=C5158054

## Via types
v1: diameter 0.6, hole 0.3, Top Copper to Bottom Copper, tented both sides, 497 vias
v2: diameter 0.5, hole 0.2, Top Copper to Bottom Copper, 18 vias
v3: diameter 1, hole 0.6, Top Copper to Bottom Copper, tented both sides, 2 vias

## Nets (pads, with @x,y where several pads share a name; then routed paths per layer and width w, separated by ;. In a path a pad name is that pad's centre, name@x,y a point inside that pad or via, vN(x,y) a via of type N, cw(c..) or ccw(c..) an arc to the next point about the centre after c; other vN are vias at no path point)
CANH: CN8.2 R19.2 ZD1.1 | length 11.5
  Top Copper w0.4: R19.2@103.9,37.8 103.962,37.862 105.462,37.862 v1(105.5,37.9)
  Bottom Copper w0.4: v1(105.5,37.9) 105.5,41.6 105.75,41.85 ZD1.1@107.25,41.85 107.3,41.8 111.45,41.8 CN8.2@111.5,41.75
CANL: CN8.3 R21.2 ZD1.2 | length 11.7
  Top Copper w0.4: R21.2@103.9,39.7 v1(104.8,39.7)
  Bottom Copper w0.4: v1(104.8,39.7) 104.8,43.516 105.034,43.75 ZD1.2@107.25,43.75 110.696,43.75 111.196,44.25 CN8.3@111.5,44.25
DGND: C1.1 C2.1 C3.1 C4.1 C5.1 C6.1 C7.1 C8.1 C9.1 C10.1 C11.1 C12.1 C13.1 C14.1 C15.1 C16.1 C17.2 C19.1 C20.2 C22.1 C23.1 C24.2 C25.1 C26.1 C27.1 C28.1 C29.2 C30.2 C31.1 C32.1 C33.1 CN4.7 CN4.8 CN4.9 CN4.10 CN6.15 CN7.4 CN8.4 CN9.4 CN10.A1 CN10.B1 EC1.2 EC2.2 Q2.2 Q3.2 R2.1 R3.1 R4.2 R16.1 R18.1 R22.1 R31.1 R32.1 R33.2 R34.1 R36.1 SW1.2 SW2.3 SW2.4 SW3.3 SW3.4 SW4.3 SW4.4 U1.1 U2.12 U2.18 U2.31 U2.47 U2.63 U3.15 U4.2 U5.3 U5.29 U6.30 U6.33 X1.2 ZD1.3 | length 54.2
  Top Copper w0.2: U2.12@46.519,37.769 U2.12@46.5,37.75 46.977,37.75 47.127,37.9 47.392,37.9 47.592,38.1 v1(47.7,38.1) ; v1(48.9,46.2) 48.9,46.092 48.981,46.011 48.981,45.269 U2.63@49,45.25 ; v1(56.1,42.6) 56.208,42.6 56.358,42.75 U2.47@58,42.75 ; R16.1@57.25,68.7 58.25,68.7 v1(58.25,68.75) ; Q2.2@60.2,71.75 60.2,71 v1(60.25,71) ; v2(63.275,61.25) 63.525,61.25 U6.30@63.525,62.725 63.525,63.5 65,63.5 R36.1@65,64.75 ; v2(102.35,64) 102.35,63.925 102.775,63.5 U5.3@103.65,63.5 ; v1(103,25.75) 103.722,25.75 103.847,25.875 U3.15@105.05,25.875 ; v1(110.75,61.25) 111.55,62.05 CN10.A1@112.4,62.05
  Top Copper w0.3: v1(48.75,32.5) 48.75,32.564 49,32.814 U2.18@49,33.75 ; v1(55.25,32.25) 55.25,32.331 55.5,32.581 U2.31@55.5,33.75
  Top Copper w0.4: C22.1@96.5,44.675 96.5,44.635 U4.2@99.025,44.635
  Top Copper w0.8: C2.1@40.075,65.5 C1.1@40.075,67.5
  Bottom Copper w0.2: v1(48.9,46.2) 49.267,46.567 49.267,47.017 C7.1@49.5,47.25 ; C11.1@60.25,42.325 60.3,42.325 60.898,42.923 61.123,42.923 v1(61.2,43) ; v2(63.275,60.25) v2(63.275,59.25) v2(64.275,59.25) ; v2(63.275,60.25) v2(63.275,61.25) v2(64.275,61.25) ; v2(63.275,60.25) v2(64.275,60.25) ; v2(64.275,59.25) v2(64.275,60.25) ; v2(64.275,59.25) v2(65.275,59.25) v2(65.275,60.25) ; v2(64.275,60.25) v2(64.275,61.25) ; v2(64.275,60.25) v2(65.275,60.25) ; v2(64.275,61.25) v2(65.275,61.25) v2(65.275,60.25) ; v2(100.15,64) v2(100.15,65.1) v2(101.25,65.1) ; v2(100.15,64) v2(100.15,62.9) v2(101.25,62.9) ; v2(100.15,64) v2(101.25,64) ; v2(101.25,62.9) v2(102.35,62.9) v2(102.35,64) ; v2(101.25,62.9) v2(101.25,64) ; v2(101.25,64) v2(102.35,64) ; v2(101.25,64) v2(101.25,65.1) ; v2(101.25,65.1) v2(102.35,65.1) v2(102.35,64)
  Bottom Copper w0.3: C9.1@48.575,31.5 48.75,31.675 v1(48.75,32.5) ; C10.1@55.075,31.5 55.25,31.675 v1(55.25,32.25)
  other v1: 32.386,1.566 33.386,1.566 54.386,1.566 55.386,1.566 76.386,1.566 77.386,1.566 94.386,1.566 95.386,1.566 8.886,2.066 9.886,2.066 109.886,2.066 110.886,2.066 32.386,2.566 33.386,2.566 54.386,2.566 55.386,2.566 76.386,2.566 77.386,2.566 94.386,2.566 95.386,2.566 8.886,3.066 9.886,3.066 109.886,3.066 110.886,3.066 1.886,9.066 2.886,9.066 116.886,9.066 117.886,9.066 1.886,10.066 2.886,10.066 116.886,10.066 117.886,10.066 76.386,11.066 77.386,11.066 94.386,11.066 95.386,11.066 76.386,12.066 77.386,12.066 94.386,12.066 95.386,12.066 31.886,12.566 33.886,12.566 50.386,13.066 51.386,13.066 53.886,13.066 59.386,13.066 31.886,13.566 33.886,13.566 31.886,17.566 33.886,17.566 116.886,18.066 117.886,18.066 31.886,18.566 33.886,18.566 104.886,19.066 105.886,19.066 116.886,19.066 117.886,19.066 104.886,20.066 105.886,20.066 46.386,22.566 81.386,23.566 82.386,23.566 1.886,24.566 2.886,24.566 81.386,24.566 82.386,24.566 1.886,25.566 2.886,25.566 31.886,25.566 33.886,25.566 46.386,25.566 31.886,26.566 33.886,26.566 59.886,30.066 60.886,30.066 117.886,30.066 117.886,31.066 25.886,31.566 26.886,31.566 25.886,32.566 26.886,32.566 40.386,33.566 41.386,33.566 45.886,33.566 46.886,33.566 59.386,33.566 60.386,33.566 10.386,34.566 59.386,34.566 60.386,34.566 10.386,35.566 117.886,37.066 117.886,38.066 67.386,40.066 68.386,40.066 72.386,40.066 73.386,40.066 81.386,40.066 82.386,40.066 67.386,41.066 68.386,41.066 72.386,41.066 73.386,41.066 81.386,41.066 82.386,41.066 10.886,45.066 11.886,45.066 19.886,45.066 20.886,45.066 10.886,46.066 11.886,46.066 19.886,46.066 20.886,46.066 71.886,46.066 81.386,48.066 82.386,48.066 85.386,48.066 86.386,48.066 89.386,48.066 90.386,48.066 117.886,48.066 36.886,49.066 37.886,49.066 117.886,49.066 36.886,50.066 37.886,50.066 98.886,50.566 99.886,50.566 81.386,51.566 82.386,51.566 49.886,52.066 50.886,52.066 49.886,53.066 50.886,53.066 85.386,54.066 86.386,54.066 89.386,54.066 90.386,54.066 95.386,54.066 96.386,54.066 56.386,56.566 57.386,56.566 46.386,58.066 95.386,58.066 96.386,58.066 92.386,58.566 93.386,58.566 108.386,58.566 109.386,58.566 117.886,58.566 108.386,59.566 109.386,59.566 118.386,62.066 42.886,63.066 118.386,63.066 32.386,65.566 33.386,65.566 38.5,66.5 53.386,66.566 54.386,66.566 42.886,67.066 43.886,67.066 85.386,67.066 92.386,67.066 93.386,67.066 53.386,67.566 54.386,67.566 118.386,67.566 42.886,68.066 43.886,68.066 68.386,68.066 69.386,68.066 85.386,68.066 92.386,68.066 93.386,68.066 118.386,68.566 68.386,69.066 69.386,69.066 42.886,70.066 43.886,70.066 60.886,70.066 42.886,71.066 43.886,71.066 63.886,71.066 63.886,72.066 51.886,74.066 52.886,74.066 107.386,74.066 51.886,75.066 52.886,75.066 107.386,75.066 63.886,75.566 39.697,76.029 80.386,76.066 81.386,76.066 63.886,76.566 38.886,77.066 39.886,77.066 51.886,77.066 52.886,77.066 80.386,77.066 81.386,77.066 106.386,77.066 107.386,77.066 32,78 33,78 38.886,78.066 39.886,78.066